# KiCad board 10087.kicad_pcb (continued)
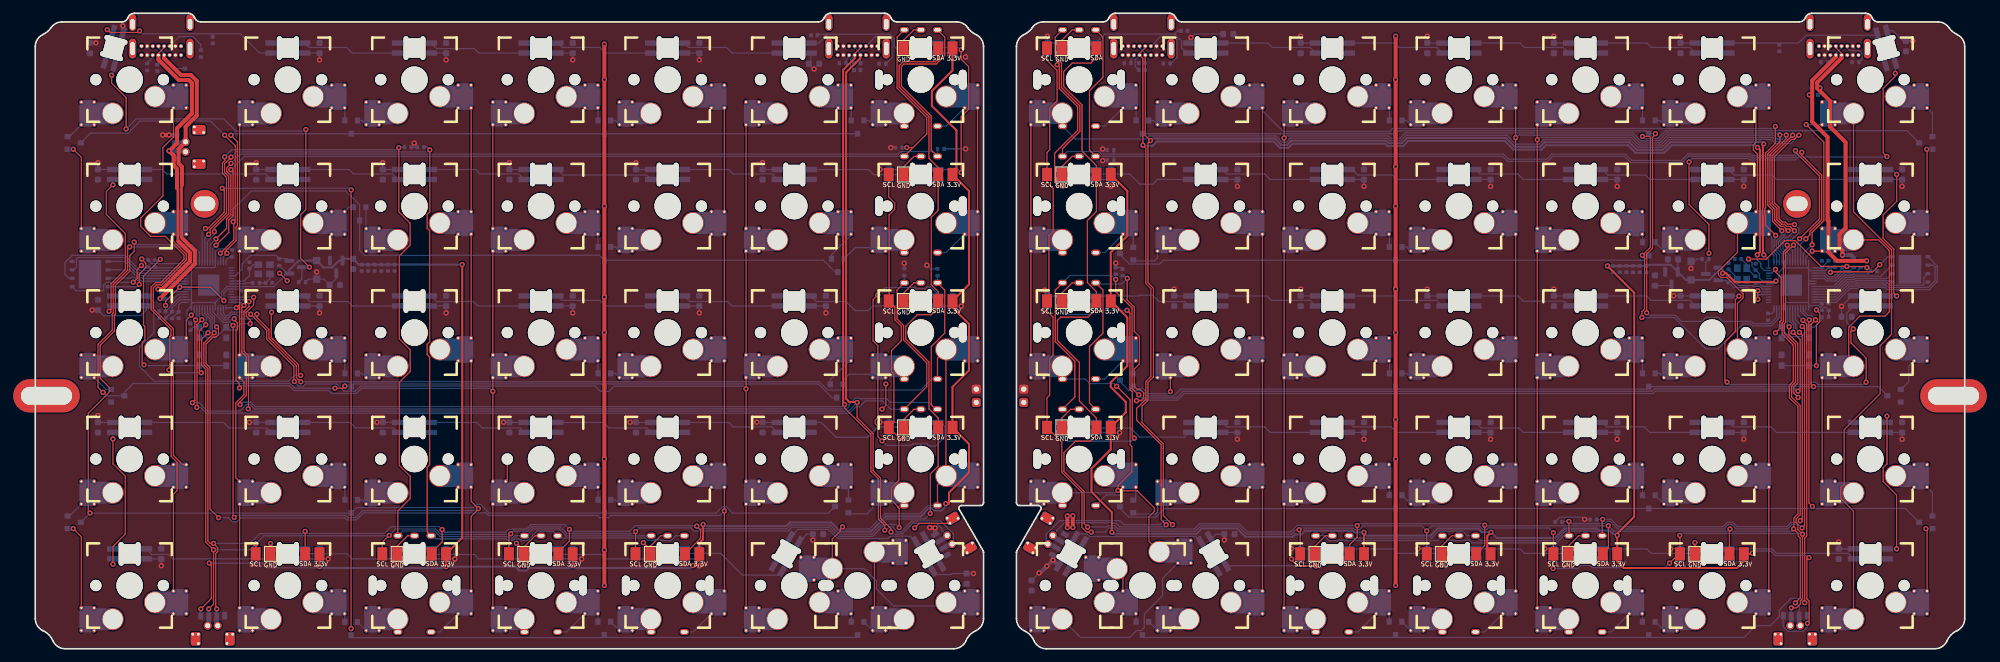
[diagram p0: board, top side]
## Routing (per net, layer and track width the routed paths; a pad name or vN(x,y) marks a point on that pad's centre or on a via; arc(x,y) is an arc through that point) (continued)
GND: length 266.9
  Top w0.18: v1(73.5,12.52) 73.5,12.52 J6.1 ; E13.3 213.17,17.02 211.61,15.47 J21.1 211.61,12.58 v1(211.62,12.58) ; E10.3 156.02,55.12 154.46,53.57 J18.1 ; E5.3 94.11,17.02 92.55,15.47 J5.1 92.55,14.92 v1(91.48,15.98) ; E2.3 132.21,74.17 130.65,72.62 J2.1 ; J1.1 130.65,91.67 132.21,93.22 E1.3 ; J17.1 154.46,72.62 156.02,74.17 E9.3 ; J19.1 154.46,34.75 155.79,36.07 E11.3 ; J6.1 73.5,14.78 v1(72.39,15.89) ; J6.1 73.5,15.3 75.22,17.02 E6.3 ; v1(127.97,39.87) 127.97,36.66 v1(127.41,36.09) ; v1(189.03,13.52) 189.03,13.36 189.92,12.46 v1(192.71,12.46) 192.56,12.61 J20.1 192.56,15.47 194.12,17.02 E12.3 ; 137.61,18.97 137.52,18.88 134.85,18.88 134.84,18.9 133.01,18.9 v1(132.31,18.19) ; E14.3 232.22,17.02 230.66,15.47 J22.1 ; E3.3 132.21,55.12 130.65,53.57 J3.1 ; E7.3 56.01,17.02 54.45,15.47 J7.1 ; J16.1 154.46,91.67 156.02,93.22 E8.3 ; v1(35.39,15.85) 35.4,15.85 J8.1 ; E4.3 132.21,36.07 130.65,34.52 J4.1 130.65,31.64 v1(130.63,31.63) ; J23.1 249.71,15.99 v1(249.72,16) ; v1(259.19,53.93) v1(259.19,52.63) ; v1(36.77,56.57) v1(37.91,55.43)
  Top w0.6: v1(156.12,18.27) 156.12,18.27 v1(156.12,20.02) ; v1(204.69,92.27) v1(204.69,9.52) ; v1(85.63,9.52) v1(85.63,14.88) v1(85.63,28.57) v1(85.63,47.62) v1(85.63,52.98) v1(85.63,66.67) v1(85.63,85.72) v1(85.63,91.08) ; v1(155.29,20) v1(155.29,18.24)
  Bottom w0.18: v1(91.48,15.98) 92.43,15.04 LED33.3 ; v1(35.39,15.85) 35.39,15.14 LED30.3 ; v1(259.19,53.93) 259.35,53.77 U4.19 ; v1(189.03,13.52) 189.03,13.51 LC83.2 ; 134.08,16.83 LED35.3
  vias: v1(204.69,85.72) v1(204.69,72.63) v1(204.69,66.67) v1(204.69,54.17) v1(204.69,47.62) v1(204.69,34.53) v1(204.69,28.57)
/BOOTL: length 30.6
  Top w0.18: v1(18.8,58.65) 16.29,56.14 16.29,48.76 16.47,48.57 16.47,46.5 16.09,46.11 16.09,43.03 v1(16.36,42.76)
  Bottom w0.18: v1(18.8,58.65) 18.67,58.52 R9.1 ; v1(16.36,42.76) 16.46,42.66 SW2.2 SW2.2
/BOOTR: length 14.9
  Top w0.18: v1(268,42.64) 268,48.76 268.51,49.27 268.51,50.54 v1(268,51.04)
  Bottom w0.18: SW4.2 SW4.2 267.99,42.66 v1(268,42.64) ; v1(268,51.04) 268.09,50.96 R23.1
/c0L: length 232.4
  Top w0.18: v1(39.94,40.2) 39.28,40.86 39.28,42.65 35.16,46.77 35.16,48.09 33.34,49.9 v1(33.34,50.39) ; K7.1 K14.1 ; E3.4 135.75,43.77 K21.1 137.02,45.05 137.02,26.07 K28.1 135.75,24.72 E4.4 ; K35-1.1 119.92,16.54 121.12,17.74 121.12,18.01 v1(121.46,18.34) ; K21.1 K14.1
  Bottom w0.18: U1.31 27.89,50.49 28.54,49.85 29.07,49.85 29.61,50.38 30.21,50.38 30.93,49.66 32.62,49.66 v1(33.34,50.39) ; 135.78,21.57 E4.4 134.33,21.57 133.09,20.33 127.83,20.33 125.52,18.03 121.77,18.03 v1(121.46,18.34) ; E3.4 134.87,40.62 133.22,38.97 119.19,38.97 117.95,40.22 39.95,40.22 v1(39.94,40.2) ; E1.4 137.08,78.72 K7.1 ; K35.1 136.52,6.44 129.13,6.44 126.55,9.03 126.55,10.23 124.72,12.06 K35-1.1 ; K14.1 137.08,59.67 E2.4 ; 139.19,24.98 K28.1
/c0R: length 246.9
  Top w0.18: K70-1.2 167.57,16.16 167.57,19.87 168.38,20.68 168.38,21.21 165.79,23.79 162.94,23.79 v1(162.91,23.82) 162.91,24.57 165.01,26.67 165.01,30.45 164.74,30.72 164.74,37.51 162.72,39.53 v1(162.72,39.53) ; K49.2 K42.2 ; K56.2 K49.2 ; v1(264.7,63.9) 264.66,63.95 263.65,63.95 263.33,64.27 262.89,64.27 262.38,64.78 262.38,66.49 261.67,67.21 261.67,74.12 264.28,76.73 264.69,76.73 265.06,77.1 265.06,77.36 v1(265.38,77.36)
  Bottom w0.18: E8.5 156.5,76.78 167.14,76.78 167.59,77.24 186.68,77.24 187.64,76.28 188.18,76.28 188.81,76.91 203.47,76.91 203.84,76.54 205.47,76.54 206.26,77.33 221.46,77.33 222.78,76.01 226.28,76.01 226.96,76.69 239.99,76.69 241.14,75.54 244.74,75.54 245.89,76.69 261.3,76.69 261.89,76.09 264.11,76.09 v1(265.38,77.36) ; v1(162.72,39.53) 162.31,39.93 158.65,39.93 157.97,40.61 154.57,40.61 E10.5 ; 156.86,2.1 156.87,2.09 ; 156.86,2.1 K70.2 ; 156.86,2.1 157.27,1.69 164.66,1.69 165.71,2.74 166.42,2.74 166.87,3.19 166.87,5.24 169.64,8.02 169.64,10.63 K70-1.2 ; K63.2 162.57,23.49 v1(162.91,23.82) ; U4.35 264.02,59.27 262.96,60.32 262.96,61.05 263.54,61.62 264.31,61.62 265.36,62.67 265.36,63.25 v1(264.7,63.9)
/c1L: length 150.8
  Top w0.18: v1(38.98,40.25) 38.91,40.31 38.91,42.52 34.81,46.62 34.81,47.97 v1(32.4,50.38) ; K27.2 K34.2 ; K13.2 K20.2 ; K20.2 v1(106.94,39.16) K27.2 ; K6.2 K13.2
  Bottom w0.18: v1(32.4,50.38) 32.06,50.72 29.48,50.72 28.94,50.17 28.68,50.17 28.29,50.56 U1.30 ; v1(38.98,40.25) 39.66,39.56 40.38,39.56 40.69,39.87 45.36,39.87 46.44,38.79 48.16,38.79 48.86,39.48 48.88,39.48 48.96,39.56 84.21,39.56 84.99,38.79 86.37,38.79 87.13,39.55 106.55,39.55 v1(106.94,39.16)
/c1R: length 163.9
  Top w0.18: v1(261.87,62.27) 260.34,63.8 260.34,65.22 260.24,65.32 260.24,66.32 260.35,66.43 260.35,74.67 261.82,76.14 v1(261.82,78.67) ; K55.1 K62.1 ; K41.1 K48.1 ; K62.1 K69.1 ; K48.1 K55.1
  Bottom w0.18: v1(261.82,78.67) 261.53,78.38 204.25,78.38 203.79,77.91 187.79,77.91 184.64,81.06 K41.1 ; v1(261.87,62.27) 261.87,61.83 261.63,61.59 261.63,59.68 262.02,59.3 U4.30
/c2L: length 179.7
  Top w0.18: K19.1 K26.1 ; K19.1 K12.1 ; v1(27.28,48.49) 27.57,48.2 27.57,47.33 27.19,46.95 26.75,46.95 25.69,45.89 25.69,42.98 26.29,42.37 26.29,21.02 v1(27.57,19.74) ; K5.1 K12.1 ; K33.1 v1(103.68,20.76) K26.1
  Bottom w0.18: K33.1 98.98,2.52 E5.4 ; v1(103.68,20.76) 103.01,20.08 86.61,20.08 86.26,19.74 84.91,19.74 84.56,20.08 68.17,20.08 67.8,20.46 49.36,20.46 48.3,19.41 46.87,19.41 46.56,19.72 30.94,19.72 30.34,19.12 29.64,19.12 29.03,19.74 v1(27.57,19.74) ; v1(27.28,48.49) 26.95,48.82 26.95,49.99 26.29,50.65 U1.35
/c2R: length 160.3
  Top w0.18: K47.2 v1(187.9,76.94) K40.2 ; v1(262.5,77.39) 262.5,76.35 260.68,74.53 260.68,66.8 261.39,66.08 261.39,64.38 v1(262.8,62.97) ; K47.2 K54.2 ; K61.2 K68.2 ; K54.2 K61.2
  Bottom w0.18: v1(262.8,62.97) 262.8,62.28 261.96,61.45 261.96,59.85 262.42,59.4 U4.31 ; v1(187.9,76.94) 188.21,77.24 203.61,77.24 203.98,76.88 205.33,76.88 206.14,77.69 240.41,77.69 241.56,76.53 244.3,76.53 245.47,77.69 262.2,77.69 v1(262.5,77.39)
/c3L: length 120.1
  Top w0.18: K25.2 71.02,25.44 71.02,28.57 ; v1(29.94,49.7) 29.94,49.55 30.39,49.09 30.39,48.09 30.2,47.9 30.2,40.46 30.71,39.94 v1(30.71,39.28) ; K4.2 K11.2 ; K11.2 K18.2 ; K18.2 v1(68.84,38.78) K25.2 ; K32.2 K25.2
  Bottom w0.18: U1.32 27.49,50.42 28.4,49.52 29.75,49.52 v1(29.94,49.7) ; v1(30.71,39.28) 31.05,39.61 38.23,39.61 38.95,38.89 44.16,38.89 44.59,38.45 48.31,38.45 49.09,39.23 68.39,39.23 v1(68.84,38.78)
/c3R: length 132.8
  Top w0.18: v1(263.75,62.98) 263.43,62.98 263.43,63.24 263.06,63.61 262.62,63.61 261.72,64.51 261.72,66.22 261.01,66.93 261.01,74.4 263.48,76.86 v1(263.48,77.38) ; K46.1 v1(222.74,76.99) K39.1 ; K46.1 K53.1 ; K53.1 K60.1 ; K60.1 K67.1
  Bottom w0.18: E13.4 218.04,2.52 K67.1 ; v1(222.74,76.99) 223.11,77.35 240.26,77.35 241.41,76.2 244.46,76.2 245.6,77.35 261.57,77.35 262.17,76.75 262.84,76.75 v1(263.48,77.38) ; v1(263.75,62.98) 263.12,62.36 263.12,62.15 262.3,61.32 262.3,59.99 262.82,59.47 U4.32
/c4L: length 139.8
  Top w0.18: K10.1 K17.1 ; v1(29.94,19.78) 29.75,19.96 v1(29.75,48.7) ; K31.1 65.58,19.94 66.67,21.03 v1(66.67,21.1) 65.58,22.2 K24.1 ; K17.1 K24.1 ; K3.1 K10.1
  Bottom w0.18: v1(29.75,48.7) 29.3,49.16 28.29,49.16 26.69,50.76 U1.34 ; v1(29.94,19.78) 30.23,20.08 46.67,20.08 47.02,19.74 48.16,19.74 49.22,20.79 66.36,20.79 v1(66.67,21.1) ; K31.1 60.88,2.52 E7.4
/c4R: length 126.8
  Top w0.18: K66.2 K59.2 ; K45.2 v1(226,76.66) K38.2 ; K52.2 K45.2 ; v1(264.7,62.95) 264.38,62.95 264.38,63.25 264.01,63.62 263.52,63.62 263.2,63.94 262.76,63.94 262.05,64.65 262.05,66.36 261.34,67.07 261.34,74.26 264.43,77.34 v1(264.43,77.36) ; K59.2 K52.2
  Bottom w0.18: v1(264.43,77.36) 263.48,76.42 262.03,76.42 261.43,77.02 245.75,77.02 244.6,75.88 241.28,75.88 240.12,77.02 226.37,77.02 v1(226,76.66) ; U4.34 263.62,59.15 262.62,60.14 262.62,61.18 263.4,61.95 263.7,61.95 v1(264.7,62.95)
/c5L: length 66.1
  Top w0.18: K16.2 31.39,40.19 31.39,38.26 30.18,37.04 30.18,25.76 K23.2 ; K23.2 K30.2 ; K16.2 30.74,52.07 ; 30.74,52.07 30.74,51.86 v1(30.25,51.36) ; 30.74,52.07 K9.2 ; K9.2 K2.2
  Bottom w0.18: U1.29 v1(30.24,51.37)
/c5R: length 74.7
  Top w0.18: K65.1 K58.1 ; K51.1 256.12,52 256.99,52.86 256.99,53.44 254.51,55.92 253.62,55.92 253.25,56.3 253.25,56.83 256.12,59.71 K44.1 ; K37.1 258.9,76.27 258.51,75.88 258.51,75.13 259.11,74.52 259.11,66.05 K44.1 ; K51.1 K58.1
  Bottom w0.18: U4.29 261.62,59.23 261.31,59.54 261.31,61.97 K44.1
/c6L: length 42
  Top w0.18: K15.1 20.78,29.13 22.17,27.74 K22.1 ; K8.1 20.78,61.36 22.72,59.42 22.72,58.55 18.98,54.81 18.21,54.81 17.76,54.36 17.76,51.23 20.78,48.21 K15.1 ; v1(23.46,50.25) 22.72,49.51 K15.1
  Bottom w0.18: U1.41 23.89,50.68 v1(23.46,50.25)
/c6R: length 47.8
  Top w0.18: K43.2 277.34,61.59 278.98,59.96 278.98,50.76 278.32,50.11 274.56,50.11 272.87,48.42 272.87,43.27 K50.2 ; K57.2 K50.2 ; K43.2 v1(267.37,59.89)
  Bottom w0.18: U4.41 266.42,58.95 v1(267.37,59.89)
/c7L: length 99.9
  Top w0.18: v1(24.98,41.56) 24.69,41.85 24.69,47.84 v1(25.64,48.8) ; 22.38,58.69 22.38,59.29 19.55,62.12 17.34,62.12 15.86,63.61 15.86,64.88 19.2,68.22 19.2,75.5 20.78,77.09 K1.1 ; 22.38,58.69 18.84,55.14 18.07,55.14 17.43,54.5 17.43,51.09 20.41,48.11 20.41,47.18 20.24,47.01 20.24,42.86 ; 22.38,58.69 22.39,58.69 ; v1(20.12,42) 20.24,42.13 20.24,42.86 ; K29.1 20.78,23.28 21.33,23.82 21.33,28.09 20.45,28.97 20.45,41.67 20.24,41.88 20.24,42.86
  Bottom w0.18: v1(24.98,41.56) 20.55,41.56 v1(20.12,42) ; v1(25.64,48.8) 25.7,48.86 25.7,49.82 25.09,50.43 U1.38
/c7R: length 108.1
  Top w0.18: K36.2 273.59,65.81 279.31,60.09 279.31,47.34 277.6,45.63 277.6,38.42 272.19,33.01 272.19,24.84 271.7,24.35 271.7,22.61 273.59,20.72 K64.2 ; v1(266.47,78.95) 269.12,76.3 269.12,64.47 267.36,62.71 v1(267.36,60.85)
  Bottom w0.18: U4.40 266.02,59.52 v1(267.36,60.85) ; K36.2 266.48,78.94 v1(266.47,78.95)
/CLKL: length 12.3
  Bottom w0.18: 10.93,57.07 14.26,57.07 15.48,55.85 16.04,55.85 16.12,55.77 U1.52
/CLKR: length 12.9
  Bottom w0.18: U4.52 270.71,53.77 272.54,55.6 273.67,55.6 273.84,55.77 278.63,55.77 U5.6
/CSL: length 20.6
  Top w0.18: v1(15.97,57.75) 15.31,57.08 15.31,55.78 v1(14.73,55.2)
  Bottom w0.18: U1.56 16.35,57.37 v1(15.97,57.75) ; v1(14.73,55.2) 10.71,55.2 10.28,54.77 10.28,53.91 6.14,53.91 U3.1 5.53,54.66
/CSR: length 24.5
  Bottom w0.18: U4.56 270.97,52.17 273.09,54.28 274.22,54.28 274.38,54.45 278.34,54.45 278.69,54.09 284.98,54.09 286.18,55.29 286.18,57.65 U5.1
/D+L: length 48.9
  Top w0.18: USB1.13 19.38,90.54 18.53,89.69 USB1.4 ; v1(20.12,75) 20.13,74.99
  Top w0.4: 21.54,61.36 21.45,61.44 21.45,69.27 21.34,69.38
  Top w0.6: 21.34,69.38 21.32,69.41 21.32,72.28 20.82,72.78 20.82,74.3 20.13,74.99 20.16,74.99 21.32,76.15 21.32,78.4 23.55,80.63 23.55,85.22 23.09,85.68 21.57,85.68 18.53,88.73 USB1.4 ; 21.54,61.36 23.26,59.64 23.26,58.33 19.11,54.17 v1(18.48,54.17)
  Bottom w0.18: USB1.4 18.53,88.17 D43.1
  Bottom w0.6: R3.1 18.93,53.72 v1(18.48,54.17) ; 21.12,75 v1(20.12,75)
/D+R: length 41.4
  Top w0.6: USB4.4 270.94,89.18 267.37,85.61 267.37,79.38 269.69,77.07 269.69,64.57 269.81,64.44 269.81,59.72 271.11,58.43 v1(275.55,58.43)
  Bottom w0.18: USB4.13 271.79,90.54 270.94,89.69 USB4.4 ; D45.1 v1(266.94,83.44)
  Bottom w0.6: R16.1 274.66,58.43 v1(275.55,58.43)
/D-L: length 52.2
  Top w0.4: 22.07,69.84 22,69.78 22,61.95 22.18,61.77 22.18,61.9
  Top w0.6: USB1.5 19.38,88.97 21.91,86.43 23.41,86.43 24.3,85.54 24.3,80.32 22.62,78.64 22.62,76.34 21.57,75.29 21.57,73.09 22.07,72.59 22.07,69.84 ; v1(18.77,52.74) 24.01,57.98 24.01,59.95 22.18,61.77
  Bottom w0.18: USB1.12 18.53,90.51 19.38,89.66 USB1.5 19.38,88.85 20.83,87.4 D42.1
  Bottom w0.6: v1(18.77,52.74) 18.82,52.7 R4.1 ; 21.12,76.2 22.37,76.2
/D-R: length 38.8
  Top w0.18: USB4.12 270.94,90.53 271.79,89.68 USB4.5 ; 268.12,84.44 268.15,84.47 v1(268.55,84.47)
  Top w0.6: USB4.5 271.79,88.97 268.12,85.29 268.12,84.44 270.06,82.5 270.06,78.63 272.4,76.29 272.4,63.37 271.49,62.46 271.49,60.43 271.93,59.99 v1(271.93,59.29)
  Bottom w0.18: D40.1 v1(268.55,84.47)
  Bottom w0.6: v1(271.93,59.29) 273.22,59.29 273.62,58.88 R17.1
/e1A: length 141.9
  Top w0.18: 132.03,75.46 134.13,77.56 134.13,80 129.66,84.48 129.66,92.13 E1.1 ; 132.03,75.46 131.99,75.5 v1(131.12,75.5) ; 132.03,75.46 E2.1 ; v1(27.19,60.78) 29.11,62.7 29.11,64.58 29.75,65.23 29.75,71.85 v1(29.44,72.16)
  Bottom w0.18: E2.1 31.45,74.17 v1(29.44,72.16) ; U1.9 26.69,60.29 v1(27.19,60.78) ; R30.1 130.45,75.5 v1(131.12,75.5)
/e1B: length 152.6
  Top w0.18: v1(27.19,61.73) 28.78,63.33 28.78,64.72 29.42,65.36 29.42,71.28 28.8,71.9 28.8,72.43 29.18,72.8 29.4,72.8 29.44,72.85 v1(29.44,73.11) ; E2.2 134.8,75.13 134.8,80.28 130.32,84.75 130.32,87.7 130.7,88.08 135.55,88.08 136.84,89.37 136.84,92.14 E1.2
  Bottom w0.18: v1(29.44,73.11) 30.83,74.5 129.85,74.5 130.21,74.86 135.06,74.86 E2.2 135.75,75.3 R29.1 ; U1.8 26.29,60.84 v1(27.19,61.73)
/e2A: length 147.5
  Top w0.18: E3.1 129.66,54.03 129.66,49.68 130.64,48.71 130.64,46.54 134.13,43.04 134.13,39.48 130.75,36.09 E4.1 ; v1(25.06,49.56) 24.33,48.83 24.33,36.39 v1(24.3,36.35)
  Bottom w0.18: E4.1 128.75,36.07 127.49,37.34 124.9,37.34 124.01,36.45 123.48,36.45 122.5,35.47 25.74,35.47 24.86,36.35 v1(24.3,36.35) ; v1(25.06,49.56) 24.69,49.93 U1.39 ; E3.1 130.75,55.13 R32.1
/e2B: length 151.3
  Top w0.18: v1(24.12,49.54) 24.01,49.43 24.01,37.43 v1(23.64,37.06) ; E3.2 136.84,54.04 136.84,47.54 134.81,45.51 134.81,36.76 135.5,36.07 E4.2
  Bottom w0.18: E3.2 135.75,55.13 R31.1 ; v1(24.12,49.54) 24.29,49.72 U1.40 ; E4.2 135.5,36.07 134.45,37.12 128.63,37.12 128.09,37.67 123.99,37.67 123.92,37.73 123.39,37.73 122.41,36.76 122.41,36.52 122.03,36.13 32.95,36.13 32.28,36.79 31.78,36.79 30.79,35.8 25.88,35.8 24.62,37.06 v1(23.64,37.06)
/e3A: length 147.8
  Top w0.18: v1(28.49,74.1) 28.49,73.53 28.14,73.18 28.14,71.62 28.76,71 28.76,65.64 26.3,63.17 26.3,62.66 v1(26.07,62.43) ; v1(54.7,75.47) 54.7,65.8 56.4,64.1 56.4,60.81 54.77,59.18 54.77,46.68 56.4,45.05 56.4,41.76 54.77,40.13 54.77,27.63 56.4,26 56.4,22.62 54.55,20.77 E7.1
  Bottom w0.18: v1(28.49,74.1) 29.56,75.16 54.39,75.16 v1(54.7,75.47) 54.77,75.54 R34.1 ; U1.6 25.49,61.85 v1(26.07,62.43) ; E7.1 55.24,17.71 60.09,17.71 60.92,16.88 71.06,16.88 71.27,16.67 71.8,16.67 72.15,17.02 E6.1 73.85,17.02 74.87,18.05 78.82,18.05 79.86,17.01 92.63,17.01 E5.1
/e3B: length 148.6
  Top w0.18: v1(29.44,74.06) 29.44,73.75 29.18,73.75 28.47,73.05 28.47,71.76 29.09,71.14 29.09,65.5 26.94,63.35 v1(26.94,62.83) ; v1(59.36,75.16) 59.36,65.8 58.97,65.42 58.97,63.35 59.33,62.99 59.33,46.23 58.97,45.87 58.97,44.3 59.33,43.94 59.33,27.69 58.97,27.33 58.97,17.6 E7.2
  Bottom w0.18: v1(29.44,74.06) 30.22,74.84 59.04,74.84 v1(59.36,75.16) 58.97,75.54 R33.1 ; E7.2 59.8,17.02 60.27,16.55 70.92,16.55 71.13,16.34 71.94,16.34 72.14,16.55 72.85,16.55 73.06,16.34 74.14,16.34 75.51,17.71 77.91,17.71 E6.2 78.95,16.68 91.77,16.68 92.11,16.33 93.19,16.33 93.26,16.41 94.1,16.41 94.2,16.3 95.66,16.3 96.38,17.02 E5.2 ; v1(26.94,62.83) 26.94,62.4 25.89,61.35 U1.7
/e4A: length 148.6
  Top w0.18: v1(266.43,61.75) 267.03,62.36 267.03,62.85 268.79,64.61 268.79,71.34 265.81,74.32 v1(265.81,74.78) ; E9.2 158.62,75.11 158.62,84.06 160.65,86.09 160.65,92.14 E8.2
  Bottom w0.18: v1(266.43,61.75) 265.62,60.95 U4.39 ; 162.24,74.17 E9.2 ; 162.24,74.17 162.3,74.11 R36.1 ; 162.24,74.17 220.79,74.17 221.55,73.41 227.55,73.41 228.31,74.17 239.13,74.17 240.07,73.23 247.82,73.23 248.78,74.19 257.89,74.19 258.11,73.96 264.69,73.96 265.51,74.78 v1(265.81,74.78)
/e4B: length 155.3
  Top w0.18: E8.1 153.45,92.12 153.45,89.21 154.41,88.25 154.41,87.09 154.41,87.08 154.41,84.54 157.16,81.78 157.16,77.94 154.56,75.34 E9.1 ; v1(264.84,75.04) 264.84,74.81 268.46,71.2 268.46,64.75 v1(265.48,61.76)
  Bottom w0.18: v1(265.48,61.76) 265.22,61.51 U4.38 ; R35.1 162.3,74.56 162.36,74.5 ; v1(264.84,75.04) 264.84,74.59 264.55,74.29 258.25,74.29 258.03,74.51 248.64,74.51 247.68,73.56 240.21,73.56 239.26,74.5 228.17,74.5 227.42,73.74 221.68,73.74 220.92,74.5 162.36,74.5 ; E9.1 155.25,74.86 160.1,74.86 160.46,74.5 162.36,74.5
/e5A: length 163.2
  Top w0.18: v1(165.7,37.36) 166.42,37.36 166.77,37.71 166.77,38.57 166.26,39.07 165.83,39.07 165.36,39.54 165.36,42.14 166.14,42.91 166.14,47.04 165.36,47.82 165.36,51.46 164.3,52.53 v1(164.3,55.8) ; E10.2 160.65,54.04 160.65,47.55 158.62,45.52 158.62,37.01 E11.2 ; v1(263.89,48.5) 263.84,48.45 263.84,47.33 265.19,45.99 265.19,40.02 264.59,39.43 264.59,38.54 265.25,37.89 v1(265.25,37.86)
  Bottom w0.18: v1(265.25,37.86) 264.29,38.81 243.79,38.81 243.42,38.44 172.88,38.44 171.87,37.43 165.78,37.43 v1(165.7,37.36) ; v1(263.89,48.5) 263.62,48.78 U4.9 ; R38.1 163.93,56.17 v1(164.3,55.8) 163.45,54.94 159.74,54.94 E10.2
/e5B: length 163.3
  Top w0.18: v1(162.58,55.62) 162.58,53.78 165.03,51.33 165.03,39.21 165.99,38.25 v1(166.03,38.25) ; v1(265.24,38.8) 265.56,39.12 265.56,46.59 v1(264.5,47.65) ; E11.1 156.41,37.92 156.41,43.33 153.47,46.27 153.47,54.04 E10.1
  Bottom w0.18: U4.8 264.02,49.29 264.53,48.77 264.53,47.69 v1(264.5,47.65) ; E10.1 155.67,56.23 161.97,56.23 v1(162.58,55.62) R37.1 ; v1(265.24,38.8) 264.9,39.14 243.65,39.14 243.29,38.79 172.75,38.79 171.73,37.76 166.52,37.76 v1(166.03,38.25)
/e6A: length 107.5
  Top w0.18: v1(235.84,19.48) 235.76,19.4 E14.2 ; v1(265.44,47.66) 265.88,47.22 265.88,19.6 v1(265.58,19.29)
  Bottom w0.18: R40.1 235.01,19.48 v1(235.84,19.48) 235.87,19.5 237.09,19.5 238.22,18.38 253.95,18.38 254.59,19.02 255.43,19.02 256.06,18.38 263.54,18.38 264.18,19.02 265.31,19.02 v1(265.58,19.29) ; U4.7 264.42,49.35 264.86,48.91 264.86,48.25 v1(265.44,47.66) ; E14.2 235.51,17.02 234.82,17.71 230.23,17.71 228.8,16.29 217.45,16.29 E13.2 215.44,17.02 214.75,17.71 211.18,17.71 210.11,16.64 198.04,16.64 E12.2
/e6B: length 113.6
  Top w0.18: v1(265.86,48.54) 266.21,48.2 266.21,18.55 v1(265.86,18.19) ; v1(230.77,19.17) 230.76,19.17 E14.1
  Bottom w0.18: v1(265.86,48.54) 264.82,49.59 U4.6 ; v1(265.86,18.19) 265.37,18.68 264.31,18.68 263.68,18.06 255.92,18.06 255.3,18.68 254.72,18.68 254.08,18.05 238.08,18.05 236.95,19.18 236.44,19.18 236.11,18.85 231.09,18.85 v1(230.77,19.17) 229.78,19.17 R39.1 ; E12.1 193.94,17.02 194.68,16.28 196.09,16.28 196.16,16.35 197.24,16.35 197.3,16.29 210.98,16.29 E13.1 211.96,17.02 212.64,16.35 213.21,16.35 213.24,16.32 215.18,16.32 215.21,16.35 215.76,16.35 216.17,15.94 228.92,15.94 230,17.02 E14.1
/k7: length 1.6
  Bottom w0.18: K7.2 125.35,79.58 D3.2
/k14: length 5.2
  Bottom w0.18: D7.2 123.18,60.23 123.18,60.23 123.38,60.42 125.46,60.42 K14.2
/k21: length 5.7
  Bottom w0.18: D11.2 121.52,40.42 122.45,41.35 125.48,41.35 K21.2
/k28: length 4.7
  Bottom w0.18: D15.2 122.51,20.32 125.15,20.32 125.99,21.16 K28.2
/k31: length 1.9
  Bottom w0.18: K31.2 49.76,2.74 D18.2
/k32: length 6.5
  Bottom w0.18: K32.1 84.66,5.26 D19.1 ; K32.1 79.93,2.52 E6.4
/k33: length 1.9
  Bottom w0.18: K33.2 86.57,4.06 D19.2
/k42: length 7.2
  Bottom w0.18: K42.1 160.89,78.72 E8.4 ; D23.1 165.64,81.44 K42.1
/k49: length 7.3
  Bottom w0.18: K49.1 160.89,59.67 E9.4 ; K49.1 165.21,62.05 D27.1
/k56: length 7.3
  Bottom w0.18: K56.1 165.21,43 D31.1 ; E10.4 160.89,40.62 K56.1
/k63: length 7.8
  Bottom w0.18: K63.1 163.65,23.67 163.15,23.17 161.15,23.17 E11.4 ; 165.64,24.29 K63.1 165.59,22.77 D35.1
/k66: length 6.5
  Bottom w0.18: E14.4 237.09,2.52 K66.1 ; K66.1 241.83,5.25 D36.1
/k67: length 1.9
  Bottom w0.18: D37.2 205.63,4.06 K67.2
/k68: length 6.5
  Bottom w0.18: E12.4 198.99,2.52 K68.1 ; K68.1 203.73,5.25 D37.1
/PRIMARYL: length 1.4
  Bottom w0.18: U1.14 28.69,58.49 29.25,59.04 R15.2
/PRIMARYR: length 1.6
  Bottom w0.18: U4.14 261.62,50.83 261.3,50.5 R19.2
/r0L: length 115.1
  Top w0.18: v1(28.82,59.56) 28.56,59.83 30.2,61.46 30.2,63.52 30.41,63.73 30.41,76.38 v1(29.43,77.36)
  Bottom w0.18: v1(28.82,59.56) 28.29,59.03 U1.13 ; D3.3 D2.3 D1.3 29.66,77.58 v1(29.43,77.36)
/r0R: length 127.6
  Top w0.18: v1(243.77,77.58) 243.77,77.48 243.34,77.06 243.34,60.32 242.47,59.44 v1(242.47,50.61)
  Bottom w0.18: U4.13 262.02,49.93 261.07,48.97 258.51,48.97 258.19,49.3 253.86,49.3 253.26,49.91 251.37,49.91 250.76,49.3 247.7,49.3 246.77,50.23 242.84,50.23 v1(242.47,50.61) ; v1(243.77,77.58) 242.79,77.58 D21.3 242.34,78.02 205.13,78.02 D22.3 D23.3
/r1L: length 147.8
  Top w0.18: v1(28.48,77.35) 30.08,75.76 30.08,64.63 v1(29.77,64.32) 29.87,64.23 29.87,61.59 v1(27.86,59.58)
  Bottom w0.18: v1(27.86,59.58) 27.89,59.55 U1.12 ; D4.3 8.32,77.66 13.93,77.66 15.75,79.48 26.36,79.48 v1(28.48,77.35) ; D7.3 120.36,56.75 118.57,58.53 D6.3 84.88,59.27 49.55,59.27 48.8,60.02 D5.3 48.8,66.89 46.73,68.96 32.49,68.96 29.77,66.24 v1(29.77,64.32)
/r1R: length 180.5
  Top w0.18: v1(241.83,77.19) 242.86,77.19 243.02,77.02 243.02,60.46 v1(241.81,59.26) 242.14,58.94 242.14,51.19 241.75,50.8 v1(241.75,49.9)
  Bottom w0.18: 241.76,49.91 v1(241.75,49.9) 246.63,49.9 251.35,45.18 253.21,45.18 256.95,48.93 258.06,48.93 258.37,48.63 261.19,48.63 262.42,49.86 U4.12 ; v1(241.83,77.19) 241.83,76.94 241.89,76.88 244.17,76.88 245.31,78.03 281.62,78.03 D24.3 ; v1(241.81,59.26) 242.76,59.26 D25.3 242.08,58.53 D26.3 169.75,58.53 169.16,57.94 164.64,57.94 163.21,59.37 D27.3
/r2L: length 149.6
  Top w0.18: v1(10.18,38.62) 9.43,39.38 9.43,45.85 11.57,48 11.57,50.41 11.73,50.56 11.73,54.84 13.89,57 13.89,60.23 v1(14.19,60.53) ; v1(45.08,39.23) 46.25,39.23 v1(46.58,39.56)
  Bottom w0.18: U1.3 24.29,59.64 23.4,60.53 v1(14.19,60.53) ; v1(45.08,39.23) 39.09,39.23 38.38,39.94 14.72,39.94 13.4,38.62 D8.3 10.71,38.1 v1(10.18,38.62) ; v1(46.58,39.56) 47.44,39.56 D9.3 47.94,39.89 85.21,39.89 D10.3 86.03,39.88 117.82,39.88 119.88,37.82 D11.3
/r2R: length 131.5
  Top w0.18: v1(267.57,39.48) 267.2,39.85 267.2,48.87 v1(267.87,49.54)
  Bottom w0.18: D31.3 163.21,40.2 164.52,38.89 166.45,38.89 167.24,38.09 171.33,38.09 172.36,39.11 204.32,39.11 D30.3 205.05,39.11 242.42,39.11 D29.3 254.75,39.48 254.76,39.48 267.1,39.48 267.11,39.48 v1(267.57,39.48) 277.32,39.48 D28.3 ; U4.3 266.02,50.91 266.74,50.18 267.23,50.18 v1(267.87,49.54)
/r3L: length 173.4
  Top w0.18: v1(14.89,61.24) 14.89,59.86 14.21,59.19 14.21,56.86 12.05,54.7 12.05,50.42 11.9,50.27 11.9,47.86 9.76,45.72 9.76,40.74 11.21,39.29 11.21,38.73 7.97,35.49 7.97,20.7 v1(8.23,20.43)
  Bottom w0.18: U1.4 24.69,59.74 23.57,60.86 15.27,60.86 v1(14.89,61.24) ; D12.3 v1(8.23,20.43) D13.3 48.35,21.25 65.92,21.25 66.41,21.74 66.98,21.74 68.29,20.43 D14.3 102.45,20.43 103.42,21.4 103.94,21.4 104.91,20.43 119.34,20.43 D15.3
/r3R: length 153.8
  Top w0.18: v1(267.41,21.43) 266.88,21.96 266.88,49.49 v1(266.93,49.53)
  Bottom w0.18: 267.88,21.12 D33.3 204.69,21.12 D34.3 204.65,21.1 169.87,21.1 168.6,19.84 164.52,19.84 163.21,21.15 D35.3 ; 267.88,21.12 267.72,21.12 v1(267.41,21.43) ; 267.88,21.12 281.38,21.12 D32.3 ; U4.4 265.62,50.84 v1(266.93,49.53)
/r4L: length 176.4
  Top w0.18: v1(47.53,69.11) 47.52,69.09 v1(47.52,3.03) ; v1(28.12,69.35) 28.43,69.05 28.43,65.77 25.93,63.26 25.64,63.26 v1(25.61,63.3)
  Bottom w0.18: D20.3 123.37,1.7 85.97,1.7 D19.3 85.22,1.67 47.88,1.67 D18.3 v1(47.52,3.03) ; U1.5 25.09,62.79 v1(25.61,63.3) ; v1(28.12,69.35) 31.58,69.35 31.6,69.37 47.28,69.37 v1(47.53,69.11)
/r4R: length 148.8
  Top w0.18: v1(265.98,49.49) 266.54,48.92 266.54,16.98 266.23,16.67 v1(266.23,6.94)
  Bottom w0.18: v1(266.24,6.93) 265.6,7.57 264.17,7.57 262.4,5.81 262.4,4.81 261.07,3.48 258.9,3.48 257.12,1.69 243.14,1.69 D36.3 242.42,1.69 205.05,1.69 D37.3 204.31,1.69 166.95,1.69 D38.3 ; v1(265.98,49.49) 265.22,50.24 U4.5
/RESETL: length 19.4
  Top w0.18: v1(32.34,48.96) 32.34,49.49 31.75,50.09 31.75,50.67 32.86,51.78 v1(32.86,52.95)
  Bottom w0.18: v1(32.34,48.96) 30.95,48.96 30,48.02 29.14,48.02 SW1.2 27.16,46.84 25.8,46.84 25.34,47.31 25.34,47.73 SW1.2 23.78,48.42 R1.2 ; U1.26 32.84,52.97 v1(32.86,52.95)
/RESETR: length 21.2
  Top w0.18: v1(261.84,47.6) 262.5,48.27 262.5,49.27 262.71,49.48 262.71,55.89 261.84,56.76 v1(261.84,57.13)
  Bottom w0.18: R5.2 268.81,49.58 267.66,48.42 SW3.2 266.86,48.14 265.74,47.01 263.94,47.01 262.76,48.2 SW3.2 261.94,47.6 v1(261.84,47.6) ; v1(261.84,57.13) 261.28,56.57 U4.26
/RGB_3.3vL: length 11.2
  Bottom w0.18: U1.18 30.07,56.17 31.12,57.21 31.12,57.97 32.42,59.27 36.17,59.27 R7.1 37.9,58.75 Q1.2 37.89,58.42
/RGB_3.3vR: length 8.5
  Bottom w0.18: Q2.2 254.45,55.5 R21.1 255.56,54.39 257.68,54.39 258.8,53.27 259.45,53.27 259.54,53.37 U4.18
/RGB_5vL: length 64.4
  Top w0.18: v1(41.25,57.47) 39.92,58.81 39.92,65.37 40.7,66.15 v1(40.7,78.22) ; v1(13.67,78.3) 13.67,83.02 11.48,85.21 v1(11.48,86.38)
  Bottom w0.18: R8.1 40.1,55.68 Q1.3 v1(41.25,57.47) ; v1(13.67,78.3) 15.18,79.81 28.36,79.81 30.16,78 40.49,78 v1(40.7,78.22) ; v1(11.48,86.38) 11.48,86.62 11.88,87.03 LED1.4
/RGB_5vR: length 63.7
  Top w0.18: v1(251.83,59.56) 251.83,63.93 248.84,66.91 v1(248.84,73.33) ; v1(279.88,86.68) 279.88,86.24 278.05,84.42 278.05,74.7 v1(278.61,74.14)
  Bottom w0.18: v1(251.83,59.56) R22.1 251.37,58.24 Q2.3 ; v1(279.88,86.68) 279.88,88.26 LED51.4 ; v1(248.84,73.33) 249.37,73.86 257.75,73.86 257.98,73.63 264.82,73.63 265.26,74.07 278.54,74.07 v1(278.61,74.14)
/RXL: length 203.2
  Top w0.18: v1(30.82,36.77) 30.82,37.2 31.75,38.13 31.75,44 31.07,44.68 31.07,51.41 v1(31.39,51.72) ; USB2.13 124.15,90.51 123.3,89.66 USB2.4 ; v1(121.77,36.78) 121.77,36.26 125.73,32.3 125.73,26.7 126.84,25.59 126.84,19.53 127.82,18.55 v1(127.82,17.85)